# KiCad board RADAR_Main_Board_FIXED.kicad_pcb (continued)
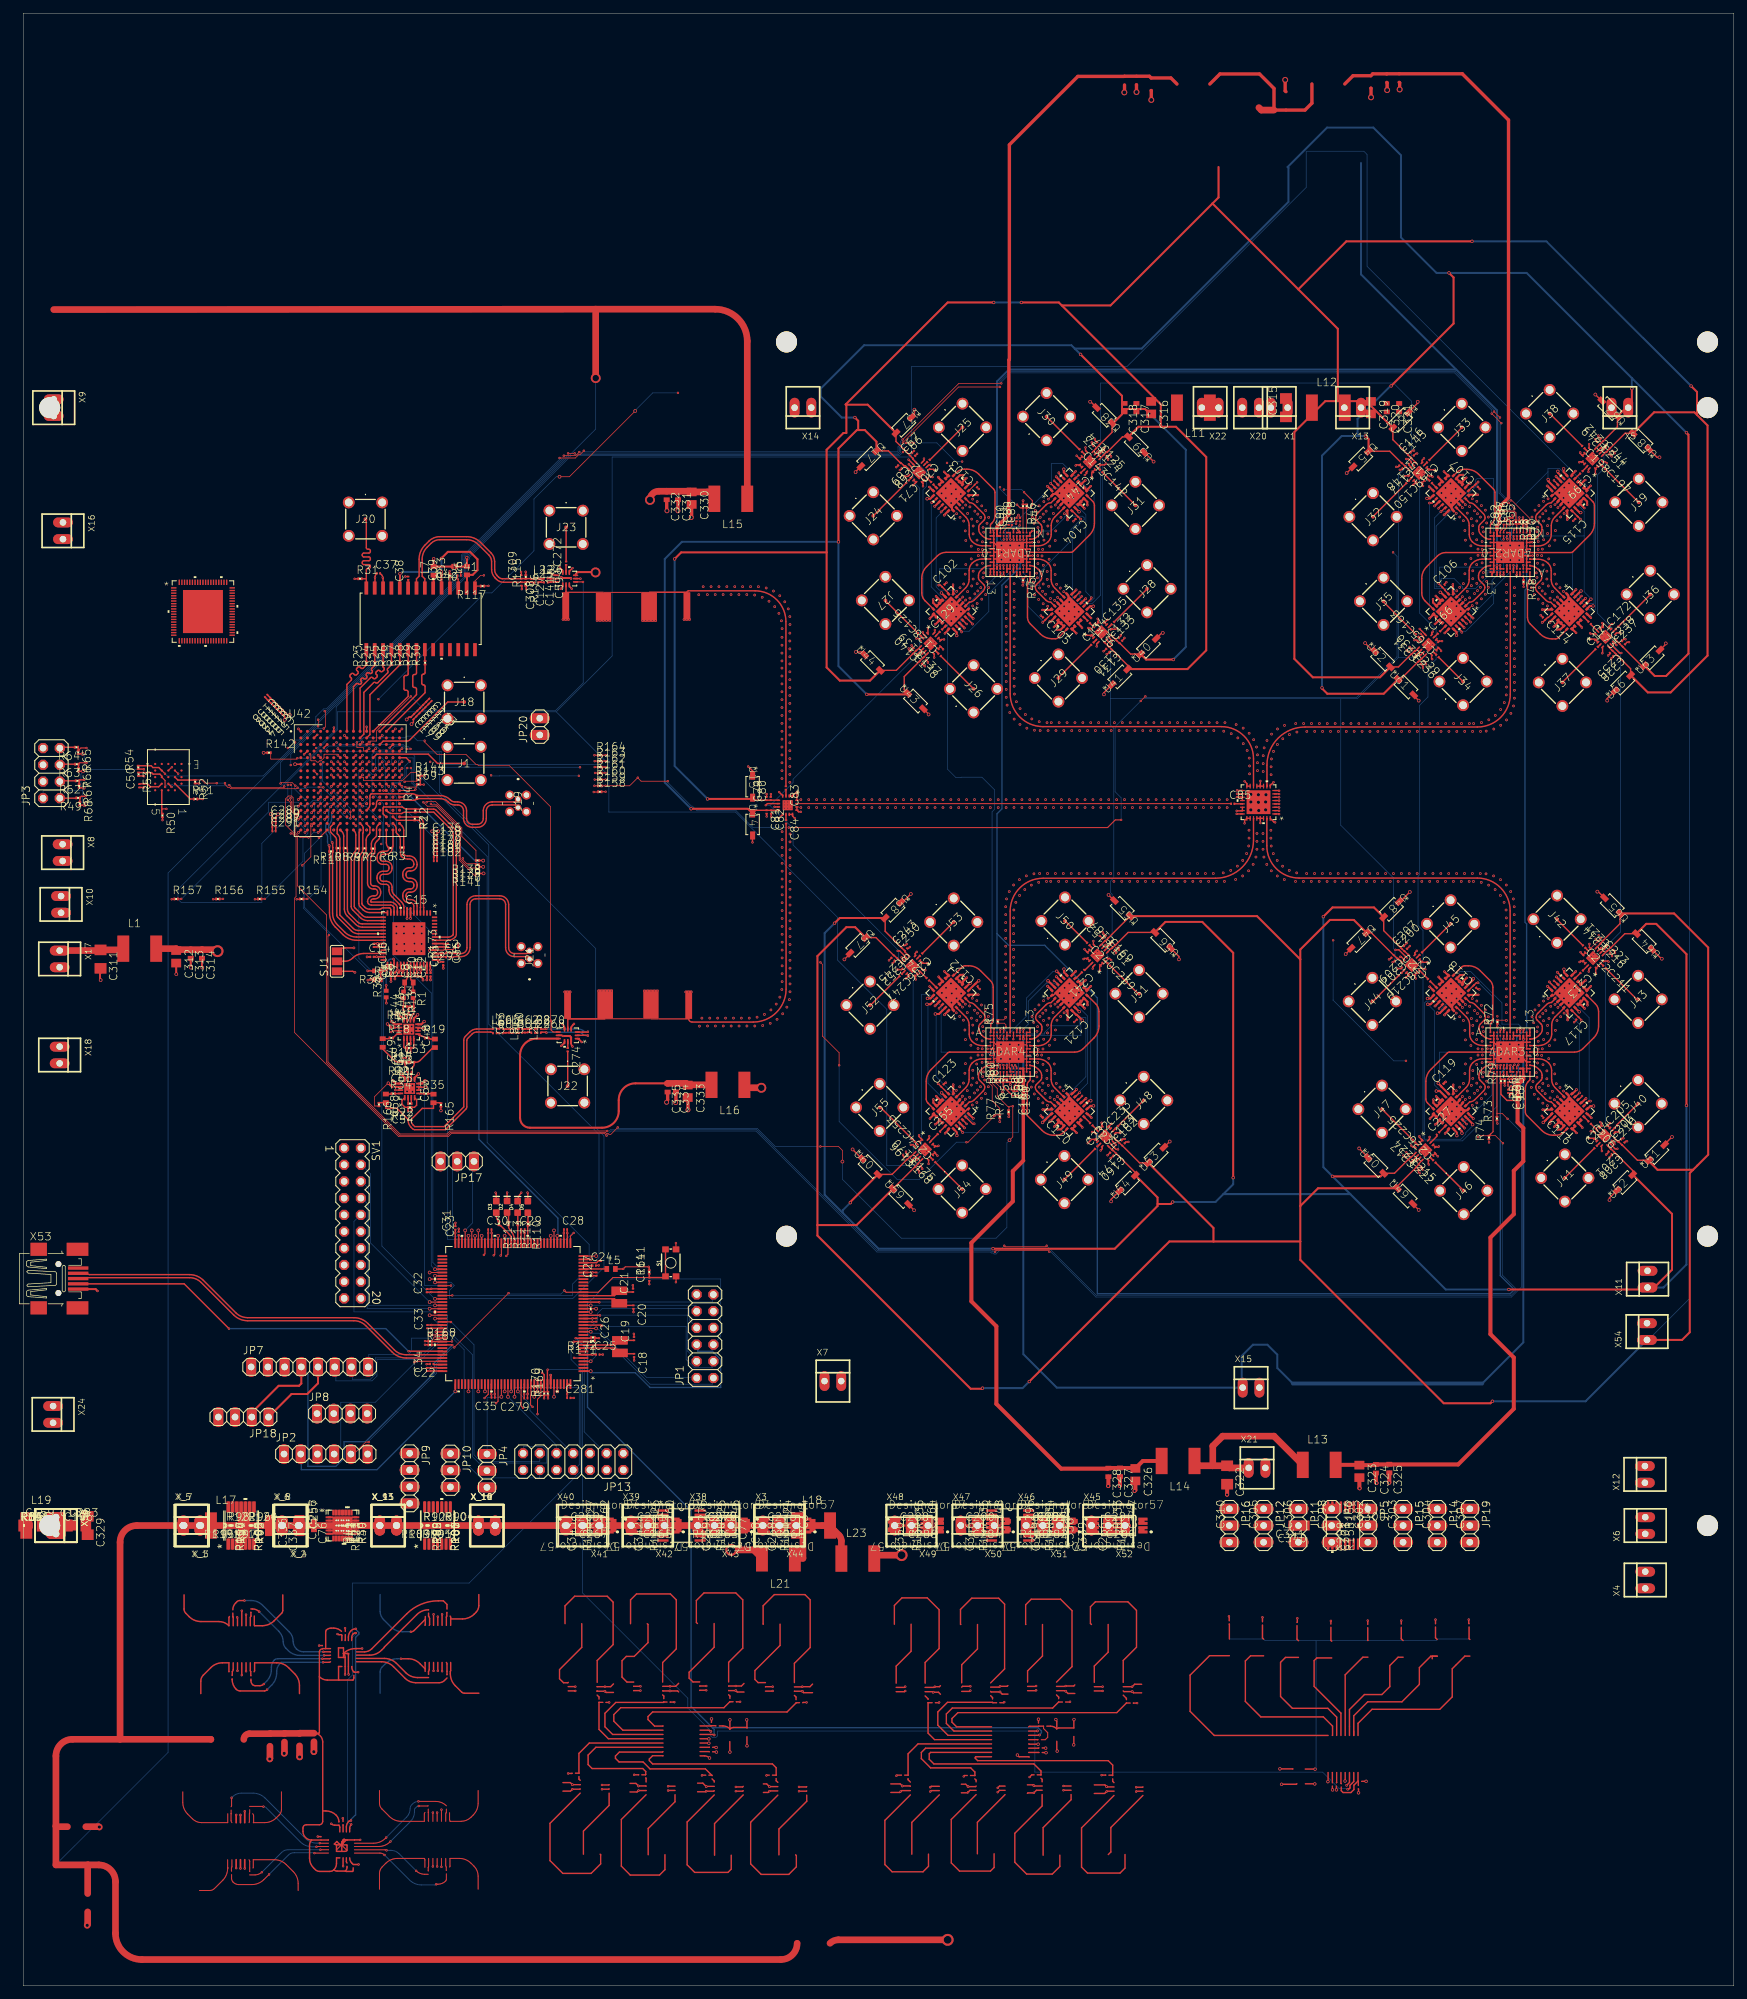
[diagram p0: board, top side]
## Routing (per net, layer and track width the routed paths; a pad name or vN(x,y) marks a point on that pad's centre or on a via; arc(x,y) is an arc through that point) (continued)
+3V3_VDD_SW: length 19.8
  Top w0.1: ADTR1107_4.19 158.65,229.65 158.63,229.69 ; 234.12,230.22 234.12,230.11 234.24,230.11 ; ADTR1107_5.19 217.4,206.35 217.39,206.34 ; 217.42,130.26 217.4,130.35 ADTR1107_9.19 ; ADTR1107_1.19 141.4,206.35 141.39,206.31 ; 161.67,209.33 161.65,209.35 ADTR1107_2.19 ; ADTR1107_8.19 234.65,229.65 234.61,229.74 ; 214.38,150.62 214.35,150.65 ADTR1107_11.19 ; ADTR1107_7.19 214.35,226.65 214.31,226.68 ; ADTR1107_6.19 237.65,209.35 237.64,209.37 ; 158.66,153.67 158.65,153.65 ADTR1107_16.19 ; ADTR1107_13.19 141.4,130.3 141.42,130.28 ; 217.79,129.89 217.85,129.9 217.9,129.78 ; ADTR1107_15.19 138.35,150.65 138.36,150.64 ; 161.72,133.34 161.65,133.35 ADTR1107_14.19 ; 141.79,129.91 141.85,129.95 141.9,129.8 ; ADTR1107_10.19 237.65,133.35 237.72,133.32 ; 234.65,153.65 234.65,153.65 ADTR1107_12.19
  Top w0.3: v3(238.68,133.8) 238.2,133.8 237.72,133.32 ; ADTR1107_3.19 137.85,226.15 v3(137.38,226.15) ; v3(213.42,150.15) 213.9,150.15 214.38,150.63 ; v3(213.35,226.2) 213.83,226.2 214.31,226.68 ; 234.24,230.11 234.61,229.74 ; v3(234.12,230.7) 234.12,230.22 ; v3(217.85,205.4) 217.85,205.88 217.37,206.36 ; 234.66,153.64 ADTR1107_12.19 234.17,154.12 v3(234.17,154.6) ; 161.67,209.32 162.15,209.8 v3(162.62,209.8) ; 217.42,130.26 217.79,129.89 ; v3(238.6,209.85) 238.12,209.85 237.64,209.37 ; v3(158.15,230.65) 158.15,230.17 158.63,229.69 ; 141.42,130.28 141.79,129.91 ; 141.39,206.31 141.88,205.83 v3(141.88,205.35) ; v3(158.17,154.62) 158.17,154.15 158.66,153.67 ; v3(137.42,150.18) 137.9,150.18 138.38,150.66 ; v3(162.67,133.82) 162.2,133.82 161.72,133.34 ; 141.9,129.8 v3(141.9,129.32) ; 217.9,129.78 v3(217.9,129.3)
+3V4: length 1206.2
  Top w0.1: U53.1 171,125.15 171,125.15
  Top w0.2: RF_SW_6.8 242.57,204.15 C238.1 242.62,204.12 C237.1 245.97,200.77 U63.1 ; U47.1 204.89,160.15 C209.1 208.36,156.72 C202.1 208.99,156.24 RF_SW_11.8 ; U55.1 168.21,162.66 C169.1 164.47,158.92 C161.1 163.72,158.23 RF_SW_16.8 ; U51.1 245.35,125.55 C210.1 242.98,127.88 C203.1 242.36,128.36 RF_SW_10.8 ; RF_SW_15.8 132.85,156.28 C252.1 132.37,156.7 C245.1 129.6,159.42 U57.1 ; U43.1 133.9,197.1 133.9,199.11 C140.1 136.24,201.43 C139.1 136.86,202.03 RF_SW_1.8 ; RF_SW_2.8 165.38,205.39 C132.1 166.57,204.19 C133.1 168.32,202.53 U40.1 ; RF_SW_7.8 210.05,231.13 C147.1 209.57,231.57 C148.1 207.7,233.37 U45.1 ; RF_SW_13.8 136.01,125.09 C170.1 135.53,124.55 C196.1 135.47,124.51 U59.1 ; U65.1 242.7,161.55 C223.1 240.18,158.98 C216.1 239.7,158.47 RF_SW_12.8 ; U14.1 111.32,178.77 C81.1 C82.1 114.76,178.77 U$1.8 ; RF_SW_4.8 163.05,233.78 C124.1 C125.1 165.49,236.26 U38.1 ; U49.1 208.85,121.61 C217.1 211.7,124.52 C224.1 212.12,125.05 RF_SW_9.8 ; RF_SW_14.8 166.49,128.23 C183.1 167,127.78 C162.1 169.66,125.16 U53.1 ; U67.1 242.3,237.09 C244.1 240.09,234.91 C251.1 238.96,233.78 RF_SW_8.8 ; RF_SW_3.8 134.1,231.15 C68.1 133.43,231.59 C69.1 131.49,233.44 U17.1 ; U61.1 209.34,198.7 C231.1 212.1,201.4 C230.1 212.55,201.83 RF_SW_5.8
  Top w0.3: v3(204,235.7) 204.47,235.23 U45.1 ; 194.1,156.1 194.1,118.6 ; 194.1,156.1 187.52,162.68 U55.1 ; 194.1,156.1 194.1,157.6 198.6,162.1 202.24,162.1 U47.1 ; 194.1,118.6 194.1,113.2 ; 194.1,118.6 196.79,121.29 U49.1 ; U17.1 129.68,234.82 127.9,236.6 126.9,236.6 ; v3(223.3,88.9) 223,88.6 215.9,88.6 194.1,110.4 194.1,113.2 ; 167,239.8 167,239 165.66,237.66 U38.1 ; 167,239.8 170.5,239.8 v3(171.2,239.1) ; 167,239.8 167,241.8 v3(160.7,248.1) ; 180.9,113.2 180.9,115.26 171,125.15 U53.1 ; 180.9,113.2 174.2,113.2 v3(152.9,91.9) ; 180.9,113.2 194.1,113.2 ; U65.1 250.91,163.09 256.1,157.9 256.1,126.4 253.8,124.1 ; v3(252.8,236.2) 253.1,235.9 253.1,202.6 249.7,199.2 247.97,199.2 U63.1 ; U40.1 170.66,201.7 v3(174.8,201.7) ; U59.1 126.66,115.7 120.7,115.7 ; U51.1 247.11,125.39 248.4,124.1 253.8,124.1 ; 120.7,115.7 120.7,114.1 144,90.8 145.7,90.8 v3(145.8,90.9) ; 120.7,115.7 120.7,156.6 125.1,161 126.44,161 U57.1 ; 253.8,124.1 253.3,123.6 253.3,99.4 252.13,98.23 X54.1 ; U67.1 244.5,240.88 v3(244.5,242.9) ; v3(101.5,179) 110.15,179 U14.1 ; U61.1 206.78,196.5 198.2,196.5 197.4,197.3 v3(197.4,197.4) ; v3(216.7,260.5) 217.4,259.8 217.4,252.8 v3(207.9,243.3) ; U43.1 134.25,196.4 v3(128.2,196.4) ; v3(123.9,219.6) 123.9,233.8 126.7,236.6 126.9,236.6 ; 126.9,236.6 126.9,238 v3(126.4,238.5)
  Bottom w0.1: v3(252.8,236.2) 252.75,236 253.25,235.5 253.25,104.5 247,98.25 X54.1
  Bottom w0.3: 244.55,244.45 228.5,260.5 v3(216.7,260.5) 214.8,260.5 209.4,265.9 209.4,278.4 205.2,282.6 198.17,282.6 192.17,276.6 192.3,276.47 192.3,271.3 170,249 159.8,249 ; 244.55,244.45 v3(252.8,236.2) ; 244.55,244.45 244.5,244.4 v3(244.5,242.9) ; 159.8,249 159.3,249.5 127.8,249.5 121.2,242.9 121.2,241.7 124.4,238.5 v3(126.4,238.5) ; 159.8,249 v3(160.7,248.1) ; 202.8,235.7 202.8,238.3 207.8,243.3 v3(207.9,243.3) ; 202.8,235.7 200.4,235.7 197.4,232.7 v3(197.4,197.4) ; 202.8,235.7 v3(204,235.7) ; v3(101.5,179) 97.5,183 97.5,217 100.1,219.6 v3(123.9,219.6) 123.9,200.7 v3(128.2,196.4) ; v3(171.2,239.1) 176.7,233.6 176.7,203.6 v3(174.8,201.7) ; X54.1 237.47,88.9 v3(223.3,88.9) ; v3(145.8,90.9) 151.9,90.9 v3(152.9,91.9)
+5V0_0: length 5.1
  Top w0.1: U4.13 57.2,146.25 57.2,146.22 ; 60,146.22 60,146.2 U4.8
  Top w0.3: v3(56.12,137.65) 56.55,137.22 U8.13 ; v3(61.05,137.65) 60.62,137.22 U8.8 ; 57.2,146.22 56.43,146.22 v3(56,146.65) ; 59.99,146.22 60.49,146.22 v3(60.93,146.65)
+5V0_PA_1: length 5.2
  Top w0.1: 156.15,207.48 156.1,207.5 v3(156.07,207.48) ; v3(160.47,224.18) 160.45,224.2 160.45,224.2 ; 140.19,211.19 140.2,211.2 ADTR1107_1.8 ; ADTR1107_7.8 219.25,227.85 219.2,227.9 ; v3(139.55,211.82) 139.55,211.8 139.56,211.81 ; 219.83,228.53 219.9,228.5 v3(219.9,228.53) ; 159.85,224.8 159.85,224.8 ADTR1107_4.8 ; ADTR1107_2.8 156.8,208.2 156.79,208.12
  Top w0.3: 140.2,211.18 ADTR1107_1.8 139.55,211.83 ; v3(143.92,228.47) 143.85,228.47 ADTR1107_3.8 ; 156.79,208.12 156.15,207.48 ; 219.83,228.53 219.18,227.88 ; 159.83,224.82 160.47,224.17
+5V0_PA_2: length 5.8
  Top w0.1: ADTR1107_12.8 235.85,148.8 235.85,148.77 ; 236.49,148.14 236.5,148.15 v3(236.5,148.12)
  Top w0.3: ADTR1107_8.8 236.57,224.05 v3(236.72,224.05) ; 236.5,148.12 235.85,148.77 ; v3(215.38,211.93) 215.45,211.93 ADTR1107_5.8 ; ADTR1107_6.8 232,207.38 v3(232,207.38) ; ADTR1107_10.8 232.22,131.6 232.22,131.6 232.03,131.4 v3(232.03,131.18)
+5V0_PA_3: length 7.6
  Top w0.1: 143.9,152.5 143.9,152.5 v3(143.92,152.5) ; ADTR1107_16.8 159.85,148.8 159.85,148.79 ; 139.59,135.79 139.6,135.8 v3(139.57,135.8) ; 140.19,135.19 140.2,135.2 ADTR1107_13.8 ; v3(160.5,148.15) 160.5,148.15 ; ADTR1107_15.8 143.25,151.85 143.26,151.85
  Top w0.3: ADTR1107_14.8 156.1,131.48 v3(156.07,131.48) ; ADTR1107_11.8 220.38,153 220.38,153.18 v3(220.4,153.18) ; 160.5,148.15 159.85,148.79 ; 143.9,152.5 143.26,151.85 ; 139.57,135.8 ADTR1107_13.8 140.22,135.16 ; ADTR1107_9.8 215.3,136.07 v3(214.78,136.07)
+5V5_PA: length 5.7
  Top w0.15: 62.9,19.38 v1(62.9,18.15)
  Top w0.204: 63,49.18 v1(63,47.9) ; v1(33.2,47.25) 33.2,49.13
  Top w0.25: 33,19.18 v1(33,17.85)
-3V3_SW: length 20.1
  Top w0.1: 215.27,149.68 215.25,149.7 ADTR1107_11.21 ; 215.21,225.74 215.25,225.7 ADTR1107_7.21 ; v2(232.97,229.55) 233,229.55 232.98,229.53 ; ADTR1107_12.21 233.75,152.75 233.73,152.73 ; v2(138.57,149.03) 138.6,149.05 138.61,149.04 ; 233.03,153.43 233.05,153.45 v2(233.03,153.45) ; 218.34,131.18 218.3,131.25 ADTR1107_9.21 ; 160.8,134.26 160.75,134.3 ADTR1107_14.21 ; 237.5,134.95 237.5,134.95 v2(237.52,134.95) ; 143.02,206.52 143,206.5 v2(143.03,206.5) ; 143.05,130.5 143.05,130.5 v2(143.05,130.48) ; ADTR1107_5.21 218.3,207.25 218.31,207.26 ; v2(237.45,211) 237.43,211 ; 157.71,228.77 157.75,228.75 ADTR1107_4.21 ; 139.26,149.69 139.25,149.7 ADTR1107_15.21 ; 236.8,134.25 236.75,134.3 ADTR1107_10.21 ; 233.69,228.82 233.75,228.75 ADTR1107_8.21 ; ADTR1107_2.21 160.75,210.3 160.78,210.27 ; 161.49,134.96 161.5,134.95 v2(161.53,134.98) ; ADTR1107_1.21 142.3,207.25 142.31,207.23 ; v2(219.05,130.45) 219.05,130.47 ; 157.04,153.44 157.05,153.45 v2(157.03,153.48) ; ADTR1107_16.21 157.75,152.75 157.74,152.75 ; v2(157,229.5) 157,229.48 ; 214.6,149 214.6,149 v2(214.57,149) ; 142.34,131.2 142.3,131.25 ADTR1107_13.21 ; 161.45,210.95 161.45,210.95 v2(161.47,210.95) ; v2(219,206.55) 219,206.57 ; ADTR1107_6.21 236.75,210.3 236.74,210.31 ; v2(214.5,225.05) 214.52,225.05
  Top w0.3: 218.34,131.18 219.05,130.47 ; 214.52,225.05 215.23,225.76 ; v2(138.53,225) 138.54,225 ADTR1107_3.21 ; 215.3,149.71 214.59,149 ; 233.74,152.72 ADTR1107_12.21 233.03,153.43 ; 219,206.57 218.29,207.28 ; 143.05,130.49 142.34,131.2 ; 237.43,211 236.72,210.29 ; 143.03,206.52 142.31,207.23 ; 237.51,134.95 236.8,134.24 ; 233.69,228.82 232.97,229.53 ; 161.51,134.98 160.8,134.26 ; 139.3,149.74 138.59,149.03 ; 161.46,210.95 160.75,210.24 ; 157.74,152.75 157.03,153.46 ; 157.71,228.77 157,229.48
  In5.Cu w0.1: 245,182 247.5,182
-3V4: length 1072
  Top w0.1: 169.02,123.27 169.05,123.3 U54.2
  Top w0.2: U37.2 132.64,234.86 C67.1 C66.1 135.19,232.18 RF_SW_3.5 ; U52.2 244.63,123.99 C208.1 241.37,127.25 C201.1 240.82,127.74 RF_SW_10.5 ; U$1.5 114.76,180.31 C80.1 C79.1 111.24,180.31 U15.2 ; U62.2 209.02,200.58 C236.1 210.99,202.51 C229.1 211.6,202.99 RF_SW_5.5 ; RF_SW_15.5 134,157.25 C250.1 133.96,157.41 C243.1 131,160.37 U58.2 ; RF_SW_8.5 240.58,233.28 C249.1 240.68,233.32 C242.1 243.47,236.1 U68.2 ; U66.2 244.31,200.31 C228.1 241.56,203.06 C235.1 240.97,203.61 RF_SW_6.5 ; U64.2 243.43,160.01 C221.1 241.27,157.89 C214.1 240.75,157.41 RF_SW_12.5 ; U39.2 167.07,235.56 C74.1 164.67,233.27 C73.1 164.2,232.81 RF_SW_4.5 ; RF_SW_14.5 165.52,127.08 C174.1 165.62,127.08 C160.1 169.02,123.68 U54.2 ; RF_SW_1.5 135.76,203.06 C137.1 135.67,203.03 C138.1 132.69,200.05 U44.2 ; U48.2 206.77,160.48 C207.1 209.89,157.35 C200.1 210.54,156.76 RF_SW_11.5 ; U60.2 132.04,123.4 C168.1 134.36,125.66 C175.1 134.88,126.08 RF_SW_13.5 ; RF_SW_9.5 210.98,126.03 C215.1 210.53,125.65 C222.1 208.41,123.57 U50.2 ; RF_SW_7.5 210.99,232.31 C145.1 210.94,232.36 C146.1 208.17,235.14 U46.2 ; RF_SW_2.5 164.32,204.34 C130.1 164.99,203.69 C131.1 167.85,200.83 U41.2 ; RF_SW_16.5 165.39,157.79 C152.1 165.96,158.27 C167.1 167.93,160.2 U56.2
  Top w0.3: 125.05,240.55 125.1,240.55 125.1,236.15 124.65,236.15 122.1,233.6 122.1,218 ; 125.05,240.55 125,240.5 125,240.45 128.34,240.45 U37.2 ; 125.05,240.55 140.5,256 v3(147.5,256) ; U68.2 247.88,239.3 254,239.3 254.4,238.9 ; 157.85,255.55 157.4,256 v3(151.7,256) ; 157.85,255.55 165.25,255.55 180.75,271.05 ; 157.85,255.55 172.9,240.5 172.9,237.1 ; 181.67,276.6 181.67,271.97 180.75,271.05 ; U48.2 205.3,164 199,164 v3(197.6,162.6) ; 172.9,237.1 169.52,237.1 U39.2 ; 172.9,237.1 175.2,237.1 179.8,232.5 179.8,203.1 176.95,200.25 U41.2 ; U58.2 124.1,162.4 v3(123.3,161.6) ; 199.8,241 199.8,252 193.8,258 ; 199.8,241 197.9,241 193.2,236.3 193.2,201.8 196,199 206.22,199 U62.2 ; 199.8,241 204.1,241 U46.2 ; v3(125.7,119.1) 125.7,119.2 U60.2 ; v3(174.7,119.2) 174.4,118.9 172.4,118.9 ; 122.1,218 100,218 v3(99,217) ; 122.1,218 122.1,200.5 124.1,198.5 128.7,198.5 U44.2 ; v3(253.5,243.3) 254.4,242.4 254.4,238.9 ; v3(225.8,105.9) 246.58,105.9 X11.1 247.9,106.2 250.6,108.9 250.6,117.4 U52.2 ; 254.4,238.9 256,237.3 256,202.3 250.4,196.7 246.92,196.7 U66.2 ; U50.2 206.3,123.1 v3(199,123.1) ; v3(104,180.5) 110.66,180.5 U15.2 ; U54.2 172.4,119.9 172.4,118.9 ; v3(220.2,265.3) 201.1,265.3 193.8,258 ; 180.75,271.05 193.8,258 ; 172.4,118.9 172.4,118.6 165.9,112.1 v3(147.4,112.1) ; v3(252.8,133.9) 252.8,156.9 248.2,161.5 246.67,161.5 U64.2 ; U56.2 173.59,161.8 179.2,161.8 183.9,157.1 v3(183.9,122.9)
  In7.Cu w0.1: v3(104,180.5) 104,179.75 115,168.75 116.25,168.75 123.25,161.75 v3(123.3,161.6)
  Bottom w0.1: v3(199,123.1) 199,123.25 198.92,123.18
  Bottom w0.3: 201.7,120.4 216.2,105.9 v3(225.8,105.9) ; 201.7,120.4 182.4,120.4 ; 201.7,120.4 v3(199,123.1) 197.6,124.5 v3(197.6,162.6) ; 182.4,120.4 181.2,119.2 v3(174.7,119.2) ; 182.4,120.4 183.9,121.9 v3(183.9,122.9) ; 124.55,117.55 124.55,117.95 v3(125.7,119.1) ; 124.55,117.55 121.8,120.3 121.8,160.1 v3(123.3,161.6) ; 124.55,117.55 130,112.1 v3(147.4,112.1) ; v3(253.5,243.3) 231.5,265.3 v3(220.2,265.3) ; v3(104,180.5) 99,185.5 v3(99,217) ; X11.1 249.3,106.2 252.8,109.7 v3(252.8,133.9) ; v3(147.5,256) v3(151.7,256)
-5V0_ADAR12: length 169.3
  Top w0.3: ADAR1_0.B11 v2(148,216) ; ADAR2_0.B11 v2(224,216)
  Bottom w0.3: v2(148,216) 148,244 149.8,245.8 217.8,245.8 ; 217.8,245.8 203.33,260.27 203.33,277.23 ; 217.8,245.8 224,239.6 v2(224,216)
-5V0_ADAR34: length 185.2
  Top w0.3: ADAR4_0.B11 v2(152,144) ; ADAR3_0.B11 v2(228,143.95)
  Bottom w0.3: v2(228,143.95) 228,97.85 221.75,91.6 ; v2(152,144) 152,96.05 157.08,90.97 X15.1 185.2,91.11 185.2,95.8 186.9,97.5 189.1,97.5 190.6,96 190.6,93.96 192.96,91.6
  Bottom w0.6: 221.75,91.6 192.96,91.6
-5V5_PA: length 6.1
  Top w0.15: v1(62.9,26.35) 62.9,25.02
  Top w0.204: v1(33.2,57.05) 33.2,54.77 ; 63,54.82 v1(63,56.15)
  Top w0.25: v1(33,26) 33,24.82
GND: length 1033
  Top w0.1: ADTR1107_5.6 217.35,211.65 217.29,211.77 ; 235.6,222.8 235.6,222.8 v1(235.58,222.78) ; 215.67,207.28 215.75,207.25 ADTR1107_5.16 ; 214.33,208.56 214.35,208.6 ADTR1107_5.13 ; 214.38,132.56 214.35,132.65 ADTR1107_9.13 ; ADTR1107_5.10 215.25,210.3 215.24,210.31 ; v1(160.97,130.53) 161,130.55 160.97,130.59 ; 142.77,210.26 142.75,210.3 ADTR1107_1.3 142.85,210.35 142.85,210.4 143.2,210.75 v2(143.24,210.75) ; ADTR1107_1.11 138.8,209.85 138.83,209.82 ; 215.28,207.68 215.3,207.7 ADTR1107_5.15 ; 157.3,131.69 157.25,131.7 ADTR1107_14.9 ; 140.68,130.23 140.65,130.35 ADTR1107_13.18 ; 218.77,152.32 218.75,152.3 ADTR1107_11.9 ; v1(212.45,230.4) RF_SW_7.17 ; v1(213.35,204.2) 213.3,204.15 213.55,203.9 RF_SW_5.17 ; v1(161.47,152.93) 161.45,152.9 161.41,152.93 ; 158.9,134.6 159,134.5 ADTR1107_14.25 ; 218.31,228.76 218.3,228.75 ADTR1107_7.10 ; 216.59,229.71 216.65,229.65 ADTR1107_7.13 ; 216.58,153.67 216.6,153.55 216.58,153.57 ; v2(219.19,134.8) 219.2,134.8 219.2,134.75 218.85,134.4 218.85,134.35 ADTR1107_9.3 218.75,134.3 218.8,134.21 ; 159.43,130.32 159.4,130.35 ADTR1107_14.13 ; ADTR1107_8.9 236.3,225.25 236.26,225.33 ; 159.83,206.74 159.85,206.8 ADTR1107_2.14 ; 138.67,131.03 138.6,131.05 v1(138.6,131.03) ; ADTR1107_15.25 141.1,149.5 141.2,149.4 ; 138.86,133.79 138.8,133.85 ADTR1107_13.11 ; ADTR1107_10.22 236.3,134.75 236.35,134.7 ; 218.8,131.64 218.75,131.7 ADTR1107_9.22 ; 215.32,134.23 215.25,134.3 ADTR1107_9.10 ; 231.09,132.04 231.05,132 C116.2 ; ADTR1107_11.10 218.3,152.75 218.32,152.77 ; v2(156.76,210.7) 156.8,210.7 157.15,210.35 157.15,210.3 ADTR1107_2.4 157.3,210.25 157.27,210.22 ; 156.26,209.24 156.35,209.35 ADTR1107_2.6 ; ADTR1107_4.15 160.75,228.3 160.77,228.33 ; 216.15,229.26 216.2,229.2 ADTR1107_7.14 ; v1(143.38,131.07) 143.35,131.1 143.35,131.1 ; C121.2 160.1,146.95 160.04,146.87 ; ADTR1107_13.14 138.8,132.2 138.78,132.18 ; v1(159.72,146.57) 159.75,146.6 159.76,146.59 ; v2(155.76,150.2) 155.8,150.15 155.85,150.15 156.25,150.55 156.3,150.55 ADTR1107_16.1 156.35,150.6 156.38,150.61 ; v1(161.45,228.95) 161.38,228.95 ; v1(230.82,132.32) 230.85,132.3 230.84,132.29 ; 235.39,153.69 235.4,153.65 ADTR1107_12.18 ; ADTR1107_11.22 215.75,149.25 215.75,149.25 ; 157.74,225.31 157.75,225.3 ADTR1107_4.4 157.6,225.2 157.6,225.15 157.25,224.8 157.3,224.75 v2(157.31,224.75) ; v2(233.26,148.8) 233.25,148.8 233.6,149.15 233.6,149.2 ADTR1107_12.4 233.75,149.3 233.78,149.27 ; 160.36,131.21 160.3,131.25 ADTR1107_14.15 ; ADTR1107_10.13 235.4,130.35 235.44,130.31 ; v1(156.65,152.88) 156.65,152.85 156.69,152.88 ; 140.66,206.26 140.65,206.35 ADTR1107_1.18 ; 218.74,210.31 218.75,210.3 ADTR1107_5.3 218.85,210.4 219.2,210.75 219.2,210.8 v2(219.19,210.8) ; v2(218.74,148.8) 218.75,148.8 218.75,148.85 218.45,149.15 218.45,149.2 ADTR1107_11.3 218.3,149.25 218.32,149.27 ; 218.33,134.67 218.3,134.7 ADTR1107_9.4 218.4,134.8 218.4,134.85 218.75,135.2 218.75,135.25 v2(218.74,135.25) ; 217.88,153.21 217.85,153.2 ADTR1107_11.11 ; ADTR1107_13.9 139.75,134.75 139.76,134.7 ; 160.34,134.72 160.3,134.75 ADTR1107_14.22 ; ADTR1107_16.9 160.3,149.25 160.31,149.25 ; 159.52,130.31 159.55,130.45 159.56,130.44 ; C106.2 216,213.1 215.98,213.15 ; 161.69,151.47 161.65,151.35 ADTR1107_16.13 ; ADTR1107_11.16 215.25,152.3 215.3,152.33 ; 159.37,229.74 159.4,229.65 ADTR1107_4.18 ; 236.04,146.85 236.05,146.9 236.05,146.95 C117.2 ; ADTR1107_4.9 160.3,225.25 160.29,225.28 ; 234.68,224.33 234.65,224.35 ADTR1107_8.6 ; ADTR1107_4.11 161.2,226.2 161.21,226.19 ; C114.2 231,208.1 230.97,208.14 ; 214.47,208.52 214.4,208.45 214.31,208.54 ; RF_SW_12.9 238.2,157.75 238.25,157.75 238.25,157.8 239.3,158.85 C216.2 239.35,158.9 239.8,159.35 C223.2 ; 160.92,206.57 160.95,206.5 v1(160.92,206.5) ; 158.63,211.62 158.65,211.65 ADTR1107_2.1 158.55,211.7 158.2,212.05 158.15,212.05 v2(158.15,212.02) ; ADTR1107_10.6 232.35,133.35 232.31,133.24 ; ADTR1107_13.15 139.25,131.7 139.28,131.64 ; ADTR1107_8.13 237.65,227.35 237.64,227.44 ; 139.26,207.67 139.25,207.7 ADTR1107_1.15 ; 219.64,209.42 219.65,209.4 ADTR1107_5.1 219.7,209.45 219.75,209.45 220.2,209.9 v2(220.24,209.9) ; v2(233.16,211.2) 233.2,211.2 233.55,210.85 233.55,210.8 ADTR1107_6.3 233.75,210.75 233.72,210.72 ; 232.23,209.29 232.35,209.35 ADTR1107_6.6 ; 236.69,225.76 236.75,225.7 ADTR1107_8.10 ; ADTR1107_14.16 160.75,131.7 160.8,131.65 ; 159.88,130.77 159.85,130.8 ADTR1107_14.14 ; RF_SW_10.17 240.55,129.5 v1(240.55,129.55) ; v1(232.65,228.95) 232.65,228.95 ; 214.33,151.37 214.35,151.35 ADTR1107_11.18 ; v2(219.19,149.25) 219.2,149.25 219.2,149.3 218.9,149.6 218.9,149.65 ADTR1107_11.4 218.75,149.75 218.75,149.75 ; 161.23,150.17 161.2,150.2 ADTR1107_16.11 ; 233.76,134.7 233.75,134.75 ADTR1107_10.3 233.65,134.75 233.2,135.2 v2(233.16,135.2) ; ADTR1107_12.22 233.25,152.3 233.25,152.3 ; 232.38,150.58 232.35,150.6 ADTR1107_12.1 232.3,150.55 232.25,150.55 231.8,150.1 v2(231.76,150.15) ; v2(156.86,225.2) 156.85,225.2 156.8,225.25 157.15,225.6 157.15,225.65 ADTR1107_4.3 157.25,225.7 157.25,225.74 ; v2(155.81,226.1) 155.8,226.1 156.25,226.55 ADTR1107_4.1 156.35,226.65 156.34,226.66 ; v1(238.35,156.55) 238.3,156.5 238.55,156.25 RF_SW_12.17 ; 233.73,131.23 233.75,131.25 ADTR1107_10.10 ; ADTR1107_6.9 233.25,207.7 233.24,207.69 ; v2(234.1,212.07) 234.1,212.1 234.15,212.1 234.5,211.75 ADTR1107_6.1 234.65,211.65 234.64,211.64 ; v2(142.74,135.3) 142.75,135.3 142.8,135.25 142.4,134.85 142.4,134.8 ADTR1107_13.4 142.3,134.7 142.32,134.68 ; 145.06,151.89 145.05,151.95 145.05,152 C122.2 ; v2(157.26,148.85) 157.3,148.85 157.6,149.15 157.6,149.2 ADTR1107_16.4 157.75,149.3 157.77,149.28 ; C89.2 150.97,223.38 v2(151.26,223.67) 151.49,223.43 C88.2 ; 141.88,153.23 141.85,153.2 ADTR1107_15.11 ; 236.76,152.31 236.75,152.3 ADTR1107_12.15 ; 139.28,210.27 139.25,210.3 ADTR1107_1.10 ; 158.19,130.79 158.2,130.8 ADTR1107_14.11 ; 143.79,150.73 143.7,150.65 ADTR1107_15.6 ; 216.63,206.31 216.65,206.35 ADTR1107_5.18 ; ADTR1107_10.16 236.75,131.7 236.8,131.62 ; 157.71,210.7 157.75,210.75 ADTR1107_2.3 157.6,210.75 157.6,210.8 157.25,211.15 v2(157.21,211.15) ; ADTR1107_11.14 216.2,153.2 216.22,153.21 ; ADTR1107_6.14 235.85,206.8 235.8,206.79 ; 218.26,225.3 218.3,225.25 ADTR1107_7.3 218.4,225.25 218.4,225.2 218.75,224.85 218.75,224.8 v2(218.74,224.8) ; v1(160.92,135.35) 160.95,135.35 160.92,135.31 ; RF_SW_6.17 240.8,205.45 v1(240.85,205.45) ; 237.69,208.63 237.65,208.65 ADTR1107_6.18 ; R72.2 224.1,146.85 225.4,146.85 v2(225.42,146.81) ; 140.55,153.55 140.58,153.69 ; 140.55,153.55 140.54,153.56 ; 140.55,153.55 ADTR1107_15.13 ; 214.87,133.78 214.8,133.85 ADTR1107_9.11 ; 235.44,206.33 235.45,206.45 235.46,206.44 ; 141.34,135.69 141.4,135.65 ADTR1107_13.6 ; RF_SW_16.17 163.2,156.65 162.9,156.95 v1(162.95,157) ; v3(55.48,137.28) 55.35,137.2 53.4,135.25 53.4,133.8 54.05,133.8 R166.2 ; 159.47,206.28 159.5,206.4 159.49,206.41 ; 236.32,149.23 236.3,149.25 ADTR1107_12.9 ; v1(156.67,228.9) 156.7,228.9 156.68,228.88 ; 216.49,229.61 216.5,229.6 216.51,229.72 ; 142.77,207.69 142.75,207.7 ADTR1107_1.22 ; ADTR1107_9.14 214.8,132.2 214.77,132.17 ; v2(149.32,147.3) 149.3,147.3 149.3,147.2 149,146.9 148.15,146.9 R75.2 ; ADTR1107_2.15 160.3,207.25 160.34,207.21 ; v1(134.8,154.85) 134.85,154.85 RF_SW_15.17 ; 139.12,153.41 139.15,153.45 v1(139.12,153.48) ; ADTR1107_2.9 157.25,207.7 157.25,207.66 ; 139.17,148.69 139.2,148.65 v1(139.17,148.65) ; ADTR1107_15.14 140.2,153.2 140.22,153.23 ; 233.23,228.36 233.25,228.3 ADTR1107_8.22 ; 215.76,134.67 215.75,134.75 ADTR1107_9.9 ; 234.68,135.62 234.65,135.65 ADTR1107_10.1 234.55,135.65 234.55,135.7 234.15,136.1 234.1,136.1 v2(234.1,136.07) ; 217.34,135.67 217.4,135.65 ADTR1107_9.6 ; R74.1 222.78,128.29 v1(222.79,128.27) ; ADTR1107_8.14 237.25,227.85 237.24,227.84 ; RF_SW_4.17 162.1,231.75 162.05,231.75 v1(161.75,232.05) ; v1(219.38,131.05) 219.35,131.05 219.37,131.07 ; ADTR1107_15.10 142.3,152.75 142.33,152.78 ; v2(233.26,224.8) 233.25,224.8 233.65,225.2 ADTR1107_8.4 233.7,225.3 233.69,225.33 ; 213.75,207.98 213.75,207.95 v1(213.72,207.95) ; ADTR1107_4.14 161.25,227.85 161.23,227.83 ; 158.73,148.26 158.65,148.35 ADTR1107_16.6 ; 142.77,149.77 142.75,149.75 ADTR1107_15.4 142.9,149.65 142.9,149.6 143.2,149.3 v2(143.19,149.3) ; 160.76,149.69 160.75,149.7 ADTR1107_16.10 ; v1(237.47,152.9) 237.41,152.9 ; 215.71,210.77 215.75,210.75 ADTR1107_5.9 ; 219.33,207.15 v1(219.38,207.15) ; 161.77,132.61 161.65,132.65 ADTR1107_14.18 ; ADTR1107_7.9 218.75,228.3 218.72,228.34 ; 236.35,152.72 236.3,152.7 ADTR1107_12.16 ; 215.12,153.38 215.15,153.45 v1(215.12,153.45) ; RF_SW_13.17 137,127.15 136.75,127.4 v1(136.8,127.45) ; 157.76,134.72 157.75,134.75 ADTR1107_14.3 157.65,134.8 157.6,134.8 157.15,135.25 v2(157.16,135.25) ; ADTR1107_15.1 141.4,148.35 141.41,148.36 ; 161.74,151.51 161.65,151.6 161.56,151.51 ; 160.32,210.73 160.3,210.75 ADTR1107_2.22 ; 214.52,132.42 214.45,132.35 214.36,132.44 ; v2(142.79,211.2) 142.75,211.2 142.4,210.85 142.4,210.8 ADTR1107_1.4 142.3,210.7 142.3,210.7 ; 157.74,131.24 157.75,131.25 ADTR1107_14.10 ; 236.3,207.25 ADTR1107_6.15 ; ADTR1107_8.18 235.4,229.65 235.34,229.79 ; C115.2 235.9,223.1 235.9,223.1 ; 237.77,132.58 237.65,132.65 ADTR1107_10.18 ; v1(160.88,211.32) 160.85,211.3 160.87,211.28 ; 235.54,130.41 235.55,130.4 235.52,130.28 ; 139.74,210.72 139.75,210.75 ADTR1107_1.9 ; v2(232.71,134.75) 232.75,134.75 233.2,134.3 ADTR1107_10.4 233.3,134.25 233.3,134.24 ; 237.49,227.59 237.55,227.65 237.65,227.55 ; 157.31,134.26 157.3,134.25 ADTR1107_14.4 157.2,134.35 157.15,134.35 156.7,134.8 v2(156.71,134.8) ; 160.35,228.75 160.3,228.7 ADTR1107_4.16 ; 139.31,134.24 139.25,134.3 ADTR1107_13.10 ; 235.38,206.37 235.4,206.35 ADTR1107_6.13 ; ADTR1107_2.11 158.2,206.8 158.16,206.76 ; v1(215.05,229.5) 215.05,229.43 ; ADTR1107_5.14 214.8,208.2 214.79,208.2 ; v1(232.65,152.85) 232.69,152.85 ; 215.28,131.62 215.3,131.7 ADTR1107_9.15 ; ADTR1107_16.15 160.75,152.3 160.78,152.32 ; ADTR1107_2.18 161.65,208.65 161.72,208.58 ; U4.6 60,145.25 59.99,145.25 ; 138.78,208.18 138.8,208.2 ADTR1107_1.14 ; v1(210.8,155) RF_SW_11.17 ; ADTR1107_15.9 142.75,152.3 142.78,152.33 ; RF_SW_1.17 137.95,204.2 138.2,203.95 v1(138.15,203.9) ; 237.54,151.49 237.6,151.55 237.7,151.45 ; 233.72,207.22 233.75,207.25 ADTR1107_6.10 ; 216.29,213.46 216.3,213.45 v1(216.31,213.46) ; v2(148.84,135.96) 148.84,136.32 147.86,137.29 R57.2 ; v1(162.28,152.03) 162.25,152 162.24,152.01 ; 161.69,227.51 161.6,227.6 161.53,227.53 ; ADTR1107_15.16 139.25,152.3 139.3,152.35 ; ADTR1107_11.6 219.65,150.65 219.79,150.71 ; 142.33,149.28 142.3,149.25 ADTR1107_15.3 142.45,149.2 142.45,149.15 142.75,148.85 v2(142.74,148.85) ; 59.99,145.6 60,145.6 60.06,145.65 ; 218.72,225.77 218.7,225.75 ADTR1107_7.4 218.85,225.7 218.85,225.65 219.2,225.3 219.2,225.25 v2(219.19,225.25) ; ADTR1107_14.6 156.35,133.35 156.31,133.27 ; 157.25,228.31 157.25,228.3 ADTR1107_4.22 ; v2(217.8,147.93) 217.8,147.95 217.5,148.25 ADTR1107_11.1 217.4,148.35 217.4,148.35 ; v2(149.79,132.18) 149.83,132.22 149.83,132.58 ; 142.8,131.66 142.75,131.7 ADTR1107_13.22 ; 139.74,149.26 139.75,149.25 ADTR1107_15.22 ; 235.88,130.74 235.85,130.8 ADTR1107_10.14 ; 157.26,152.31 157.25,152.3 ADTR1107_16.22 ; v1(230.63,208.43) 230.65,208.4 230.68,208.43 ; ADTR1107_12.10 236.75,149.7 236.77,149.68 ; ADTR1107_1.16 139.7,207.3 139.66,207.26 ; v2(143.19,134.85) 143.2,134.85 143.25,134.8 142.85,134.4 142.85,134.35 ADTR1107_13.3 142.75,134.3 142.8,134.24 ; v1(236.9,206.55) 236.9,206.62 ; 158.71,224.28 158.65,224.35 ADTR1107_4.6 ; v1(224.07,131.14) 223.99,131.22 R73.1 ; 159.39,153.72 159.4,153.65 ADTR1107_16.18 ; 59.99,145.72 60,145.75 U4.7 ; 57.85,146.9 57.85,146.9 U4.12 ; v1(236.92,135.32) 236.9,135.3 236.92,135.28 ; R77.1 148.42,131.43 v2(148.42,131.43) ; 59.35,146.9 59.35,146.9 U4.9 ; ADTR1107_10.9 233.25,131.7 233.3,131.66 ; ADTR1107_5.22 218.75,207.7 218.77,207.72 ; v1(215.17,148.62) 215.2,148.65 215.18,148.67 ; 138.53,132.43 138.45,132.35 138.35,132.45 ; ADTR1107_8.11 237.2,226.2 237.17,226.23 ; ADTR1107_2.13 159.4,206.35 159.42,206.33 ; v2(150.27,223.12) 150.26,223.11 C91.2 150.26,222.68 C90.2 ; v2(232.81,149.25) 232.8,149.25 233.15,149.6 233.15,149.65 ADTR1107_12.3 233.25,149.7 233.28,149.69 ; 218.23,210.72 218.25,210.7 ADTR1107_5.4 218.4,210.85 218.75,211.2 218.75,211.25 v2(218.74,211.25) ; ADTR1107_4.10 160.75,225.7 160.73,225.72 ; 236.97,130.57 237,130.5 v1(236.97,130.5) ; 234.15,206.79 234.2,206.8 ADTR1107_6.11 ; RF_SW_3.17 135.9,229.9 v1(135.9,229.85) ; 161.23,151.83 161.25,151.85 ADTR1107_16.14 ; 233.28,210.23 233.3,210.25 ADTR1107_6.4 233.1,210.35 233.1,210.4 232.75,210.75 v2(232.71,210.75) ; v1(238.8,232) 238.8,232.05 238.55,232.3 RF_SW_8.17 ; 217.34,224.38 217.4,224.35 ADTR1107_7.1 217.45,224.3 217.8,223.95 v2(217.8,223.93) ; ADTR1107_12.13 237.65,151.35 237.67,151.37 ; ADTR1107_13.16 139.7,131.3 139.66,131.26 ; 214.79,209.86 214.8,209.85 ADTR1107_5.11 ; v1(143.4,207.1) 143.36,207.1 ; ADTR1107_8.16 236.3,228.75 236.34,228.79 ; ADTR1107_10.11 234.2,130.8 234.18,130.78 ; v1(214.6,131) 214.67,131 ; 236.85,211.33 v1(236.85,211.38) ; ADTR1107_7.6 219.65,226.65 219.72,226.76 ; ADTR1107_6.22 236.3,210.75 236.28,210.77 ; 237.23,151.8 237.25,151.85 ADTR1107_12.14 ; 75.7,120.6 v1(75.68,120.63) ; 215.69,152.71 215.7,152.7 ADTR1107_11.15 ; 233.23,225.79 233.25,225.7 ADTR1107_8.3 233.2,225.65 232.8,225.25 v2(232.81,225.25) ; v1(163.6,205.6) RF_SW_2.17 ; 215.1,224.72 v1(215.1,224.68) ; 214.26,227.42 214.35,227.35 ADTR1107_7.18 ; ADTR1107_7.11 217.85,229.2 217.86,229.21 ; 138.38,132.58 138.35,132.65 ADTR1107_13.13 ; v1(235.72,146.54) 235.75,146.55 235.75,146.55 ; ADTR1107_10.15 236.3,131.25 236.36,131.19 ; ADTR1107_12.6 234.65,148.35 234.73,148.23 ; 160.75,207.62 160.75,207.7 ADTR1107_2.16 ; ADTR1107_1.13 138.35,208.65 138.36,208.61 ; 216.66,153.64 216.65,153.65 ADTR1107_11.13 ; v1(164.2,128.95) RF_SW_14.17 ; v1(212.85,127.35) 212.8,127.3 213.05,127.05 RF_SW_9.17 ; ADTR1107_9.16 215.75,131.25 215.7,131.2 ; 139.68,152.73 139.7,152.7 ADTR1107_15.15 ; 138.51,208.46 138.45,208.4 138.35,208.5 ; ADTR1107_7.15 215.7,228.7 215.63,228.78 ; ADTR1107_1.6 141.4,211.65 141.32,211.72 ; ADTR1107_16.16 160.3,152.7 160.35,152.75 ; 157.71,207.21 157.75,207.25 ADTR1107_2.10 ; v1(145.39,151.59) 145.35,151.6 145.35,151.6 ; 215.23,228.38 215.25,228.3 ADTR1107_7.16 ; 215.69,225.3 215.75,225.25 ADTR1107_7.22 ; ADTR1107_9.18 216.65,130.35 216.68,130.21 ; 161.67,227.39 161.65,227.35 ADTR1107_4.13 ; v1(138.57,207.05) 138.64,207.05 ; 151.95,225.86 v2(151.96,225.87) ; 157.28,149.71 157.25,149.7 ADTR1107_16.3 157.15,149.65 157.15,149.6 156.85,149.3 v2(156.81,149.3) ; 138.33,151.39 138.35,151.35 ADTR1107_15.18 ; 236.74,228.38 236.75,228.3 ADTR1107_8.15 ; 237.23,150.15 237.2,150.2 ADTR1107_12.11 ; 237.36,229 v1(237.42,229) 237.45,229 ; 158.68,135.64 158.65,135.65 ADTR1107_14.1 ; v1(214.55,207.1) 214.62,207.1 ; 236.72,207.67 236.7,207.7 ADTR1107_6.16
  Top w0.15: 151.96,225.28 R47.1 ; 151.96,225.28 151.96,225.29 v2(151.96,225.87) ; 151.96,225.28 R46.1 ; U42.K8 v2(48.81,181.41) ; ADAR4_0.B13 ADAR4_0.B12 ; ADAR4_0.B12 ADAR4_0.A12 ADAR4_0.A13 153,145.56 v1(152.99,145.57) ; ADAR4_0.B12 ADAR4_0.C12 ADAR4_0.D12 ; ADAR4_0.G12 152.47,141.98 v3(151.3,141.98) ; ADAR4_0.G12 ADAR4_0.F12 152.55,142.5 ; ADAR4_0.G12 ADAR4_0.H12 ; v1(57.73,141.12) 58.15,141.12 C53.1 ; C100.2 C101.2 150.41,136.06 v2(150.06,136.41) ; ADAR4_0.J2 ADAR4_0.K2 ; ADAR4_0.J2 148.57,141 v3(148.6,140.98) ; ADAR4_0.J2 ADAR4_0.H2 ; ADAR4_0.K2 ADAR4_0.K1 ; ADAR4_0.K2 ADAR4_0.L2 ADAR4_0.M2 ADAR4_0.M1 ADAR4_0.N1 ; v1(149.47,143.97) 149.5,144 ADAR4_0.B6 ; v3(59.02,144.98) 59.02,145.05 U4.17 ; v3(151.3,143.1) 152.4,143.1 ADAR4_0.E12 ; ADAR4_0.F2 ADAR4_0.E2 ADAR4_0.D2 ; ADAR4_0.F2 ADAR4_0.F1 ; ADAR4_0.F2 ADAR4_0.G2 ; ADAR4_0.B9 ADAR4_0.B10 151.5,143.97 v1(151.49,143.97) ; ADAR4_0.N12 ADAR4_0.M12 ; ADAR4_0.M12 ADAR4_0.M13 ; ADAR4_0.M12 ADAR4_0.L12 ADAR4_0.K12 ; ADAR4_0.D12 ADAR4_0.E12 ; ADAR4_0.D12 ADAR4_0.D13 ; ADAR4_0.E12 152.55,142.95 152.55,142.5 ; 62.25,19.38 v1(62.25,18.15) ; v3(149.97,140.95) 149.85,140.82 149.85,139.65 ADAR4_0.M7 ADAR4_0.N7 ADAR4_0.N8 ; U42.J11 v2(52.55,182.41) ; 48.35,21.44 49.09,20.7 arc(49.13,20.63) 49.15,20.55 ; 48.35,21.44 48.99,22.08 arc(49.11,22.16) 49.25,22.19 ; 48.35,21.44 47.62,20.71 arc(47.61,20.7) 47.6,20.7 ; 48.35,21.44 arc(48.39,21.38) 48.4,21.32 ; 48.35,21.44 arc(48.43,21.86) 48.68,22.23 ; R48.2 228.04,213.25 v1(228.04,212.76) ; v1(225.27,223.16) 225.46,222.97 225.46,222.74 ; v1(226.34,223.63) 226.36,223.61 C86.2 225.92,223.25 C87.2 ; S1.1 99.21,107.03 v1(99.19,107.01) ; v1(225.17,136.92) 225.17,137.35 R56.2 ; 152.55,142.5 ADAR4_0.F13 ; ADAR4_0.D2 ADAR4_0.C2 ADAR4_0.B2 ; ADAR4_0.D2 147.82,143.18 v3(148.6,143.18) ; ADAR4_0.D2 ADAR4_0.D1 ; U42.H6 v2(46.81,184.15) ; U42.P2 v2(42.81,177.41) ; U42.J7 v2(47.81,182.41) ; ADAR4_0.B6 ADAR4_0.A6 ; ADAR4_0.B6 ADAR4_0.B7 ; U42.F6 v2(46.81,186.15) ; R55.2 227.39,222.87 v1(227.39,223.31) ; C47.1 55.9,145.73 55.7,145.93 ; v1(58.57,147.65) 58.57,148.02 C46.1 ; U42.J9 v2(50.55,182.41) ; U42.G9 v2(50.55,185.15) ; 223.98,131.63 R73.1 ; ADAR4_0.89 149.78,142 v3(149.75,142.03) ; U42.A1 v2(41.81,191.15) ; ADAR4_0.J12 ADAR4_0.K12 ; ADAR4_0.J12 152.45,140.95 v3(151.3,140.95) ; ADAR4_0.J12 ADAR4_0.H12 ; ADAR4_0.K12 ADAR4_0.K13 ; S1.2 99.19,112.02 v1(99.19,112.96) ; ADAR4_0.B2 ADAR4_0.A2 147.52,145.02 v1(147.52,145.52) ; ADAR4_0.B2 ADAR4_0.B1 ; U42.F10 v2(51.55,186.15) ; U42.D12 v2(53.55,188.15) ; U42.B8 v2(48.81,190.15) ; C92.2 225.46,222.74 ; 225.46,222.74 C93.2 ; ADAR4_0.G2 ADAR4_0.H2 ; ADAR4_0.G2 147.53,142.03 v3(148.6,142.03) ; ADAR4_0.H2 ADAR4_0.H1 ; U42.K6 v2(46.81,181.41) ; R71.1 228.5,222.87 R70.1 227.94,222.88 v1(227.94,223.31) ; C97.2 226.23,135.79 C96.2 226.23,135.68 v1(225.94,135.39) ; U42.F16 v2(57.55,186.15) ; v1(44.66,184.26) 44.66,184.28 44.18,184.75 U42.G3 ; U42.E9 v2(50.55,187.15) ; U42.N5 v2(45.81,178.41) ; ADAR4_0.H13 ADAR4_0.H12 ; v1(63.55,26.8) 63.55,25.02 ; U42.H7 v2(47.81,184.15) ; ADAR4_0.A8 ADAR4_0.B8 150.5,144 v1(150.47,143.97) ; U42.H8 v2(48.81,184.15) ; 63.55,19.38 v1(63.55,18.1) ; C95.2 226.16,137.42 C94.2 225.67,137.4 v1(225.67,136.92) ; U42.L1 v2(41.81,180.41) ; U42.R9 v2(50.55,176.41) ; U42.K7 v2(47.81,181.41) ; U42.M8 v2(48.81,179.41) ; U42.K4 v2(44.81,181.41) ; U42.P12 v2(53.55,177.41) ; U42.G7 v2(47.81,185.15) ; v1(62.25,26.35) 62.25,25.02 ; U42.G13 v2(54.55,185.15)